# KiCad board SparkX_Soft_Power_Switch_panelized.kicad_pcb (continued)
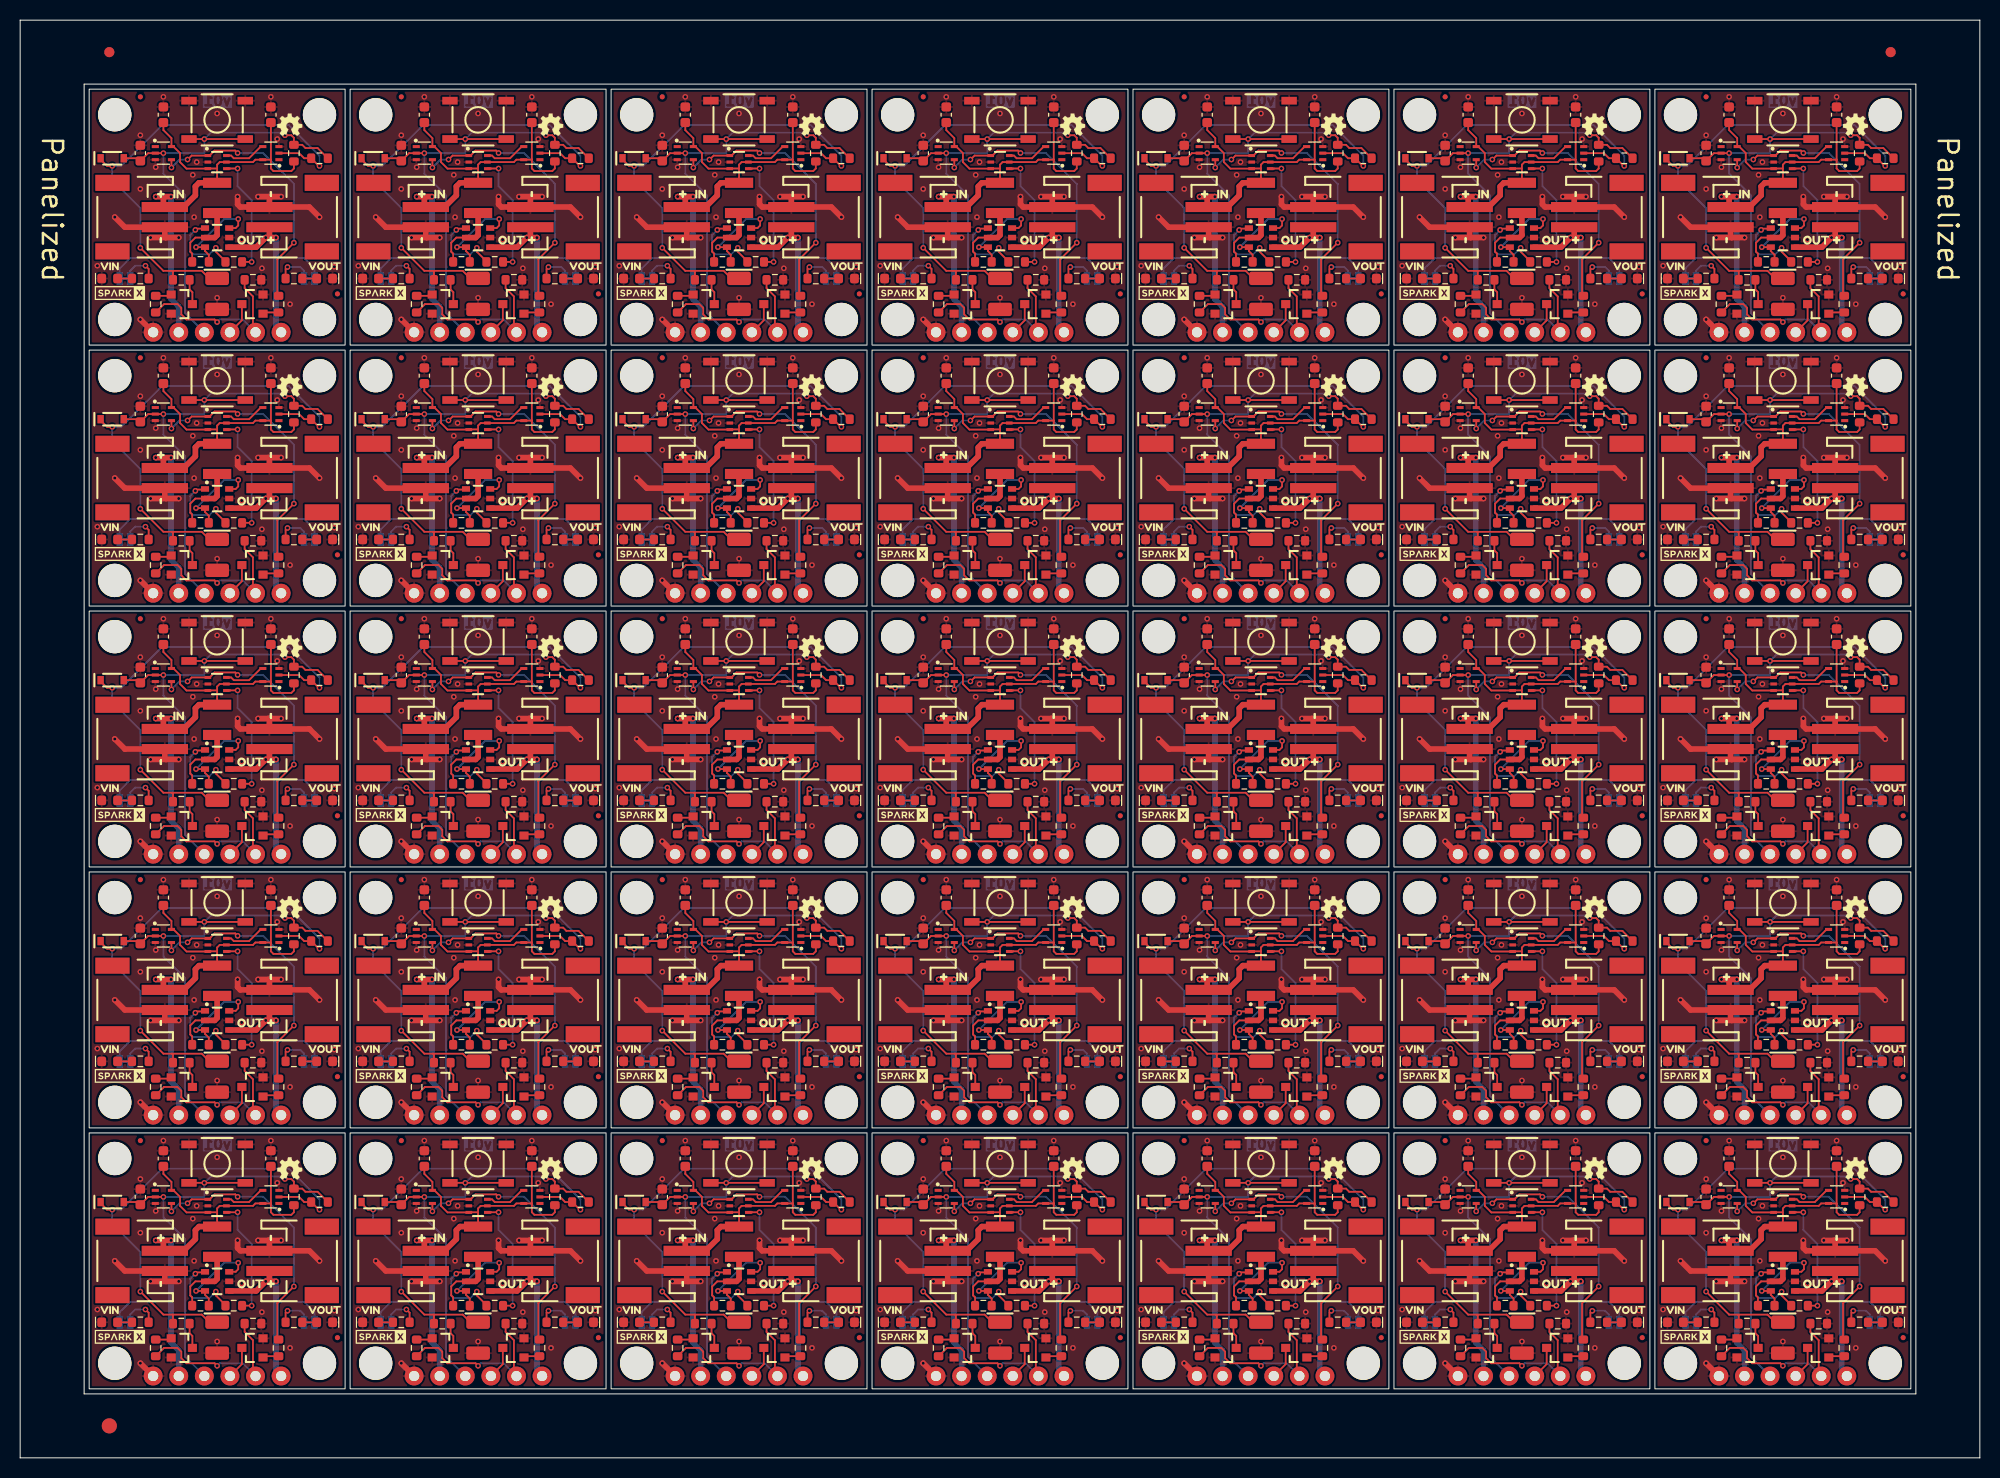
[diagram p0: board, top side]
## Routing (per net, layer and track width the routed paths; a pad name or vN(x,y) marks a point on that pad's centre or on a via; arc(x,y) is an arc through that point) (continued)
Net-(Q3B-1): length 250.5
  Top w0.178: R10#7.2 172.47,41.83 172.28,42.02 172.28,42.91 172.79,43.42 Q3#32.2 ; R10#9.2 17.07,119.53 16.88,119.72 16.88,120.61 17.39,121.12 Q3#8.2 ; R10#32.2 120.67,93.63 120.48,93.82 120.48,94.71 120.99,95.22 Q3#17.2 ; R10#24.2 68.87,119.53 68.68,119.72 68.68,120.61 69.19,121.12 Q3#11.2 ; Q3#16.2 95.09,121.12 94.58,120.61 94.58,119.72 94.77,119.53 R10#28.2 ; Q3#4.2 43.29,17.52 42.78,17.01 42.78,16.12 42.97,15.93 R10#13.2 ; R10#11.2 17.07,41.83 16.88,42.02 16.88,42.91 17.39,43.42 Q3#2.2 ; Q3#21.2 120.99,121.12 120.48,120.61 120.48,119.72 120.67,119.53 R10#33.2 ; R10#3.2 146.57,93.63 146.38,93.82 146.38,94.71 146.89,95.22 Q3#29.2 ; R10#22.2 68.87,67.73 68.68,67.92 68.68,68.81 69.19,69.32 Q3#14.2 ; R10#2.2 172.47,119.53 172.28,119.72 172.28,120.61 172.79,121.12 Q3#34.2 ; R10#29.2 120.67,15.93 120.48,16.12 120.48,17.01 120.99,17.52 Q3#27.2 ; Q3#10.2 69.19,43.42 68.68,42.91 68.68,42.02 68.87,41.83 R10#19.2 ; R10#14.2 17.07,67.73 16.88,67.92 16.88,68.81 17.39,69.32 Q3.2 ; Q3#15.2 146.89,69.32 146.38,68.81 146.38,67.92 146.57,67.73 R10#5.2 ; R10#6.2 146.57,119.53 146.38,119.72 146.38,120.61 146.89,121.12 Q3#30.2 ; R10#34.2 94.77,41.83 94.58,42.02 94.58,42.91 95.09,43.42 Q3#25.2 ; R10#30.2 120.67,41.83 120.48,42.02 120.48,42.91 120.99,43.42 Q3#23.2 ; R10#31.2 120.67,67.73 120.48,67.92 120.48,68.81 120.99,69.32 Q3#20.2 ; Q3#13.2 69.19,17.52 68.68,17.01 68.68,16.12 68.87,15.93 R10#18.2 ; Q3#19.2 95.09,95.22 94.58,94.71 94.58,93.82 94.77,93.63 R10#23.2 ; Q3#24.2 146.89,17.52 146.38,17.01 146.38,16.12 146.57,15.93 R10#15.2 ; R10#26.2 68.87,93.63 68.68,93.82 68.68,94.71 69.19,95.22 Q3#12.2 ; R10#8.2 172.47,15.93 172.28,16.12 172.28,17.01 172.79,17.52 Q3#31.2 ; R10#27.2 94.77,67.73 94.58,67.92 94.58,68.81 95.09,69.32 Q3#18.2 ; Q3#7.2 43.29,121.12 42.78,120.61 42.78,119.72 42.97,119.53 R10#20.2 ; R10#4.2 172.47,93.63 172.28,93.82 172.28,94.71 172.79,95.22 Q3#28.2 ; R10#10.2 42.97,41.83 42.78,42.02 42.78,42.91 43.29,43.42 Q3#6.2 ; R10#16.2 146.57,41.83 146.38,42.02 146.38,42.91 146.89,43.42 Q3#26.2 ; Q3#22.2 95.09,17.52 94.58,17.01 94.58,16.12 94.77,15.93 R10#17.2 ; R10.2 172.47,67.73 172.28,67.92 172.28,68.81 172.79,69.32 Q3#33.2 ; R10#25.2 42.97,67.73 42.78,67.92 42.78,68.81 43.29,69.32 Q3#5.2 ; R10#21.2 42.97,93.63 42.78,93.82 42.78,94.71 43.29,95.22 Q3#9.2 ; R10#35.2 17.07,15.93 16.88,16.12 16.88,17.01 17.39,17.52 Q3#35.2 ; R10#12.2 17.07,93.63 16.88,93.82 16.88,94.71 17.39,95.22 Q3#3.2
  Top w0.559: F1#13.1 149.05,69.56 148.81,69.32 Q3#15.2 ; Q3#7.2 45.21,121.12 45.45,121.36 F1.1 ; F1#11.1 71.35,17.76 71.11,17.52 Q3#13.2 ; F1#25.1 123.15,69.56 122.91,69.32 Q3#20.2 ; F1#4.1 19.55,121.36 19.31,121.12 Q3#8.2 ; F1#9.1 19.55,43.66 19.31,43.42 Q3#2.2 ; F1#14.1 174.95,95.46 174.71,95.22 Q3#28.2 ; Q3#17.2 122.91,95.22 123.15,95.46 F1#33.1 ; F1#35.1 19.55,17.76 19.31,17.52 Q3#35.2 ; Q3#27.2 122.91,17.52 123.15,17.76 F1#19.1 ; Q3#33.2 174.71,69.32 174.95,69.56 F1#34.1 ; F1#7.1 45.45,43.66 45.21,43.42 Q3#6.2 ; Q3#22.2 97.01,17.52 97.25,17.76 F1#32.1 ; Q3#18.2 97.01,69.32 97.25,69.56 F1#24.1 ; F1#10.1 45.45,95.46 45.21,95.22 Q3#9.2 ; Q3#34.2 174.71,121.12 174.95,121.36 F1#15.1 ; Q3.2 19.31,69.32 19.55,69.56 F1#5.1 ; Q3#24.2 148.81,17.52 149.05,17.76 F1#26.1 ; Q3#11.2 71.11,121.12 71.35,121.36 F1#28.1 ; Q3#12.2 71.11,95.22 71.35,95.46 F1#16.1 ; F1#31.1 174.95,17.76 174.71,17.52 Q3#31.2 ; Q3#19.2 97.01,95.22 97.25,95.46 F1#20.1 ; F1#3.1 19.55,95.46 19.31,95.22 Q3#3.2 ; F1#17.1 123.15,121.36 122.91,121.12 Q3#21.2 ; Q3#14.2 71.11,69.32 71.35,69.56 F1#2.1 ; Q3#29.2 148.81,95.22 149.05,95.46 F1#29.1 ; Q3#16.2 97.01,121.12 97.25,121.36 F1#23.1 ; F1#22.1 174.95,43.66 174.71,43.42 Q3#32.2 ; Q3#10.2 71.11,43.42 71.35,43.66 F1#12.1 ; Q3#23.2 122.91,43.42 123.15,43.66 F1#18.1 ; F1#27.1 97.25,43.66 97.01,43.42 Q3#25.2 ; F1#8.1 45.45,69.56 45.21,69.32 Q3#5.2 ; Q3#30.2 148.81,121.12 149.05,121.36 F1#30.1 ; F1#6.1 45.45,17.76 45.21,17.52 Q3#4.2 ; Q3#26.2 148.81,43.42 149.05,43.66 F1#21.1
Net-(U4-CLK): length 940
  Top w0.178: v1(130.77,42.91) 129.12,41.26 129.12,37.77 129.25,37.64 ; v1(47.48,103.61) 47.24,103.85 45.2,103.85 44.7,103.36 U4#9.1 42.93,103.36 42.53,102.97 v1(42.52,102.97) ; v1(172.02,128.87) 172.03,128.87 172.42,129.26 U4#33.1 174.2,129.26 174.7,129.75 176.74,129.75 v1(176.98,129.51) ; v1(176.98,25.91) 176.74,26.15 174.7,26.15 174.2,25.66 U4#32.1 172.42,25.66 172.03,25.27 v1(172.02,25.27) ; v1(92.72,50.37) U2#5.4 ; v1(68.42,77.06) 68.43,77.06 68.82,77.46 70.6,77.46 71.1,77.95 73.14,77.95 v1(73.38,77.71) ; v1(42.52,25.27) 42.53,25.27 42.93,25.66 U4#3.1 44.7,25.66 45.2,26.15 47.24,26.15 v1(47.48,25.91) ; v1(47.48,129.51) 47.24,129.75 45.2,129.75 44.7,129.26 U4#18.1 42.93,129.26 42.53,128.87 v1(42.52,128.87) ; v1(40.92,76.27) U2#18.4 ; v1(156.67,94.71) 155.02,93.06 155.02,89.57 155.15,89.44 ; v1(92.72,76.27) U2#3.4 ; v1(53.07,68.81) 51.42,67.16 51.42,63.67 R8#4.1 ; v1(53.07,42.91) 51.42,41.26 51.42,37.77 51.55,37.64 ; v1(130.77,68.81) 129.12,67.16 129.12,63.67 R8#26.1 ; v1(15.02,128.06) U2#23.4 ; v1(73.38,51.81) 73.14,52.05 71.1,52.05 70.6,51.56 U4#20.1 68.82,51.56 68.43,51.17 v1(68.42,51.17) ; v1(104.87,120.61) 103.22,118.96 103.22,115.47 R8#23.1 ; v1(156.67,68.81) 155.02,67.16 155.02,63.67 R8#10.1 ; v1(176.98,51.81) 176.74,52.05 174.7,52.05 174.2,51.56 U4#28.1 172.42,51.56 172.03,51.17 v1(172.02,51.17) ; v1(78.97,42.91) 77.32,41.26 77.32,37.77 77.45,37.64 ; R8#7.1 77.32,11.87 77.32,15.36 v1(78.97,17.01) ; v1(120.22,51.17) 120.23,51.17 120.62,51.56 U4#15.1 122.4,51.56 122.9,52.05 124.94,52.05 v1(125.18,51.81) ; v1(182.57,68.81) 180.92,67.16 180.92,63.67 R8#33.1 ; v1(118.62,102.17) U2#10.4 ; v1(73.38,129.51) 73.14,129.75 71.1,129.75 70.6,129.26 U4#17.1 68.82,129.26 68.43,128.87 v1(68.42,128.87) ; v1(16.62,77.06) 16.63,77.06 17.03,77.46 18.8,77.46 19.3,77.95 21.34,77.95 v1(21.58,77.71) ; R8#2.1 103.22,11.87 103.22,15.36 v1(104.87,17.01) ; v1(144.52,50.37) U2#28.4 ; v1(151.08,25.91) 150.84,26.15 148.8,26.15 148.3,25.66 U4#30.1 146.53,25.66 146.13,25.27 v1(146.12,25.27) ; v1(21.58,51.81) 21.34,52.05 19.3,52.05 18.8,51.56 U4#13.1 17.03,51.56 16.63,51.17 v1(16.62,51.17) ; v1(27.17,17.01) 25.52,15.36 25.52,11.87 R8#35.1 ; v1(66.82,102.17) U2#13.4 ; v1(144.52,24.47) U2#25.4 ; R8#17.1 51.42,115.47 51.42,118.96 v1(53.07,120.61) ; v1(99.28,77.71) 99.04,77.95 97,77.95 96.5,77.46 94.72,77.46 94.33,77.06 v1(94.32,77.06) ; R8#22.1 103.22,63.67 103.22,67.16 v1(104.87,68.81) ; R8.1 25.52,63.67 25.52,67.16 v1(27.17,68.81) ; v1(94.32,25.27) 94.33,25.27 94.72,25.66 U4#10.1 96.5,25.66 97,26.15 99.04,26.15 v1(99.28,25.91) ; v1(40.92,128.06) U2#14.4 ; v1(40.92,102.17) U2#22.4 ; v1(151.08,51.81) 150.84,52.05 148.8,52.05 148.3,51.56 U4#25.1 146.53,51.56 146.13,51.17 v1(146.12,51.17) ; v1(94.32,51.17) 94.33,51.17 94.72,51.56 U4#11.1 96.5,51.56 97,52.05 99.04,52.05 v1(99.28,51.81) ; v1(146.12,128.87) 146.13,128.87 146.53,129.26 U4#31.1 148.3,129.26 148.8,129.75 150.84,129.75 v1(151.08,129.51) ; v1(125.18,129.51) 124.94,129.75 122.9,129.75 122.4,129.26 U4#29.1 120.62,129.26 120.23,128.87 v1(120.22,128.87) ; v1(172.02,102.97) 172.03,102.97 172.42,103.36 U4#34.1 174.2,103.36 174.7,103.85 176.74,103.85 v1(176.98,103.61) ; v1(182.57,17.01) 180.92,15.36 180.92,11.87 R8#11.1 ; 103.35,37.64 103.22,37.77 103.22,41.26 v1(104.87,42.91) ; v1(125.18,103.61) 124.94,103.85 122.9,103.85 122.4,103.36 U4#22.1 120.62,103.36 120.23,102.97 v1(120.22,102.97) ; 181.05,37.64 180.92,37.77 180.92,41.26 v1(182.57,42.91) ; R8#31.1 155.02,115.47 155.02,118.96 v1(156.67,120.61) ; v1(78.97,68.81) 77.32,67.16 77.32,63.67 R8#18.1 ; 155.15,37.64 155.02,37.77 155.02,41.26 v1(156.67,42.91) ; v1(156.67,17.01) 155.02,15.36 155.02,11.87 R8#29.1 ; v1(151.08,77.71) 150.84,77.95 148.8,77.95 148.3,77.46 146.53,77.46 146.13,77.06 v1(146.12,77.06) ; v1(125.18,25.91) 124.94,26.15 122.9,26.15 122.4,25.66 U4#26.1 120.62,25.66 120.23,25.27 v1(120.22,25.27) ; R8#34.1 180.92,115.47 180.92,118.96 v1(182.57,120.61) ; v1(94.32,102.97) 94.33,102.97 94.72,103.36 U4#14.1 96.5,103.36 97,103.85 99.04,103.85 v1(99.28,103.61) ; 181.05,89.44 180.92,89.57 180.92,93.06 v1(182.57,94.71) ; v1(144.52,128.06) U2#35.4 ; v1(92.72,102.17) U2#4.4 ; v1(94.32,128.87) 94.33,128.87 94.72,129.26 U4#2.1 96.5,129.26 97,129.75 99.04,129.75 v1(99.28,129.51) ; R8#24.1 129.12,11.87 129.12,15.36 v1(130.77,17.01) ; v1(21.58,25.91) 21.34,26.15 19.3,26.15 18.8,25.66 U4#35.1 17.03,25.66 16.63,25.27 v1(16.62,25.27) ; v1(47.48,77.71) 47.24,77.95 45.2,77.95 44.7,77.46 42.93,77.46 42.53,77.06 v1(42.52,77.06) ; v1(73.38,25.91) 73.14,26.15 71.1,26.15 70.6,25.66 U4#5.1 68.82,25.66 68.43,25.27 v1(68.42,25.27) ; v1(170.42,50.37) U2#27.4 ; v1(130.77,94.71) 129.12,93.06 129.12,89.57 129.25,89.44 ; v1(78.97,94.71) 77.32,93.06 77.32,89.57 77.45,89.44 ; v1(130.77,120.61) 129.12,118.96 129.12,115.47 R8#27.1 ; v1(170.42,76.27) U2#30.4 ; v1(151.08,103.61) 150.84,103.85 148.8,103.85 148.3,103.36 U4#27.1 146.53,103.36 146.13,102.97 v1(146.12,102.97) ; v1(125.18,77.71) 124.94,77.95 122.9,77.95 122.4,77.46 120.62,77.46 120.23,77.06 v1(120.22,77.06) ; v1(27.17,120.61) 25.52,118.96 25.52,115.47 R8#20.1 ; 25.65,37.64 25.52,37.77 25.52,41.26 v1(27.17,42.91) ; v1(92.72,24.47) U2#2.4 ; v1(118.62,76.27) U2#9.4 ; v1(16.62,128.87) 16.63,128.87 17.03,129.26 U4#8.1 18.8,129.26 19.3,129.75 21.34,129.75 v1(21.58,129.51) ; v1(144.52,102.17) U2#29.4 ; v1(176.98,77.71) 176.74,77.95 174.7,77.95 174.2,77.46 172.42,77.46 172.03,77.06 v1(172.02,77.06) ; v1(15.02,50.37) U2#20.4 ; v1(170.42,128.06) U2#32.4 ; v1(118.62,50.37) U2#7.4 ; v1(170.42,24.47) U2#33.4 ; v1(66.82,128.06) U2.4 ; v1(66.82,24.47) U2#16.4 ; v1(40.92,24.47) U2#17.4 ; v1(66.82,76.27) U2#12.4 ; v1(92.72,128.06) U2#8.4 ; v1(15.02,24.47) U2#26.4 ; v1(66.82,50.37) U2#15.4 ; v1(15.02,102.17) U2#19.4 ; R8#16.1 51.42,11.87 51.42,15.36 v1(53.07,17.01) ; 103.35,89.44 103.22,89.57 103.22,93.06 v1(104.87,94.71) ; v1(170.42,102.17) U2#31.4 ; v1(15.02,76.27) U2#21.4 ; v1(16.62,102.97) 16.63,102.97 17.03,103.36 U4#19.1 18.8,103.36 19.3,103.85 21.34,103.85 v1(21.58,103.61) ; v1(118.62,24.47) U2#6.4 ; 51.55,89.44 51.42,89.57 51.42,93.06 v1(53.07,94.71) ; v1(73.38,103.61) 73.14,103.85 71.1,103.85 70.6,103.36 U4#7.1 68.82,103.36 68.43,102.97 v1(68.42,102.97) ; v1(27.17,94.71) 25.52,93.06 25.52,89.57 25.65,89.44 ; v1(78.97,120.61) 77.32,118.96 77.32,115.47 R8#21.1 ; v1(118.62,128.06) U2#11.4 ; v1(47.48,51.81) 47.24,52.05 45.2,52.05 44.7,51.56 U4.1 42.93,51.56 42.53,51.17 v1(42.52,51.17) ; v1(144.52,76.27) U2#34.4 ; v1(40.92,50.37) U2#24.4
  Bottom w0.178: v1(15.02,24.47) 15.82,25.27 v1(16.62,25.27) ; v1(16.62,128.87) 15.82,128.87 v1(15.02,128.06) ; v1(99.28,129.51) 101.81,129.51 104.87,126.45 v1(104.87,120.61) ; v1(144.52,128.06) 145.32,128.87 v1(146.12,128.87) ; v1(120.22,128.87) 119.42,128.87 v1(118.62,128.06) ; v1(27.17,120.61) 27.17,126.45 24.11,129.51 v1(21.58,129.51) ; v1(53.07,94.71) 53.07,100.55 50.01,103.61 v1(47.48,103.61) ; v1(15.02,102.17) 15.82,102.97 v1(16.62,102.97) ; v1(176.98,25.91) 179.51,25.91 182.57,22.85 v1(182.57,17.01) ; v1(16.62,51.17) 15.82,51.17 v1(15.02,50.37) ; v1(92.72,50.37) 93.52,51.17 v1(94.32,51.17) ; v1(146.12,25.27) 145.32,25.27 v1(144.52,24.47) ; v1(144.52,50.37) 145.32,51.17 v1(146.12,51.17) ; v1(27.17,68.81) 27.17,74.65 24.11,77.71 v1(21.58,77.71) ; v1(170.42,24.47) 171.22,25.27 v1(172.02,25.27) ; v1(68.42,128.87) 67.62,128.87 v1(66.82,128.06) ; v1(144.52,76.27) 145.32,77.06 v1(146.12,77.06) ; v1(99.28,51.81) 101.81,51.81 104.87,48.75 v1(104.87,42.91) ; v1(120.22,25.27) 119.42,25.27 v1(118.62,24.47) ; v1(53.07,120.61) 53.07,126.45 50.01,129.51 v1(47.48,129.51) ; v1(172.02,128.87) 171.22,128.87 v1(170.42,128.06) ; v1(21.58,51.81) 24.11,51.81 27.17,48.75 v1(27.17,42.91) ; v1(120.22,102.97) 119.42,102.97 v1(118.62,102.17) ; v1(172.02,51.17) 171.22,51.17 v1(170.42,50.37) ; v1(40.92,102.17) 41.72,102.97 v1(42.52,102.97) ; v1(125.18,129.51) 127.71,129.51 130.77,126.45 v1(130.77,120.61) ; v1(27.17,94.71) 27.17,100.55 24.11,103.61 v1(21.58,103.61) ; v1(92.72,128.06) 93.52,128.87 v1(94.32,128.87) ; v1(73.38,25.91) 75.91,25.91 78.97,22.85 v1(78.97,17.01) ; v1(170.42,76.27) 171.22,77.06 v1(172.02,77.06) ; v1(27.17,17.01) 27.17,22.85 24.11,25.91 v1(21.58,25.91) ; v1(92.72,24.47) 93.52,25.27 v1(94.32,25.27) ; v1(172.02,102.97) 171.22,102.97 v1(170.42,102.17) ; v1(73.38,77.71) 75.91,77.71 78.97,74.65 v1(78.97,68.81) ; v1(156.67,17.01) 156.67,22.85 153.61,25.91 v1(151.08,25.91) ; v1(16.62,77.06) 15.82,77.06 v1(15.02,76.27) ; v1(130.77,68.81) 130.77,74.65 127.71,77.71 v1(125.18,77.71) ; v1(182.57,94.71) 182.57,100.55 179.51,103.61 v1(176.98,103.61) ; v1(94.32,77.06) 93.52,77.06 v1(92.72,76.27) ; v1(176.98,77.71) 179.51,77.71 182.57,74.65 v1(182.57,68.81) ; v1(78.97,94.71) 78.97,100.55 75.91,103.61 v1(73.38,103.61) ; v1(66.82,102.17) 67.62,102.97 v1(68.42,102.97) ; v1(151.08,77.71) 153.61,77.71 156.67,74.65 v1(156.67,68.81) ; v1(47.48,25.91) 50.01,25.91 53.07,22.85 v1(53.07,17.01) ; v1(99.28,103.61) 101.81,103.61 104.87,100.55 v1(104.87,94.71) ; v1(40.92,76.27) 41.72,77.06 v1(42.52,77.06) ; v1(78.97,120.61) 78.97,126.45 75.91,129.51 v1(73.38,129.51) ; v1(104.87,17.01) 104.87,22.85 101.81,25.91 v1(99.28,25.91) ; v1(42.52,51.17) 41.72,51.17 v1(40.92,50.37) ; v1(146.12,102.97) 145.32,102.97 v1(144.52,102.17) ; v1(40.92,24.47) 41.72,25.27 v1(42.52,25.27) ; v1(156.67,42.91) 156.67,48.75 153.61,51.81 v1(151.08,51.81) ; v1(125.18,103.61) 127.71,103.61 130.77,100.55 v1(130.77,94.71) ; v1(66.82,24.47) 67.62,25.27 v1(68.42,25.27) ; v1(47.48,51.81) 50.01,51.81 53.07,48.75 v1(53.07,42.91) ; v1(118.62,76.27) 119.42,77.06 v1(120.22,77.06) ; v1(104.87,68.81) 104.87,74.65 101.81,77.71 v1(99.28,77.71) ; v1(130.77,42.91) 130.77,48.75 127.71,51.81 v1(125.18,51.81) ; v1(120.22,51.17) 119.42,51.17 v1(118.62,50.37) ; v1(156.67,94.71) 156.67,100.55 153.61,103.61 v1(151.08,103.61) ; v1(66.82,50.37) 67.62,51.17 v1(68.42,51.17) ; v1(66.82,76.27) 67.62,77.06 v1(68.42,77.06) ; v1(73.38,51.81) 75.91,51.81 78.97,48.75 v1(78.97,42.91) ; v1(130.77,17.01) 130.77,22.85 127.71,25.91 v1(125.18,25.91) ; v1(42.52,128.87) 41.72,128.87 v1(40.92,128.06) ; v1(176.98,51.81) 179.51,51.81 182.57,48.75 v1(182.57,42.91) ; v1(182.57,120.61) 182.57,126.45 179.51,129.51 v1(176.98,129.51) ; v1(156.67,120.61) 156.67,126.45 153.61,129.51 v1(151.08,129.51) ; v1(92.72,102.17) 93.52,102.97 v1(94.32,102.97) ; v1(47.48,77.71) 50.01,77.71 53.07,74.65 v1(53.07,68.81)
Net-(U4-~{CLR}): length 147.2
  Top w0.178: 98.17,77.46 98.63,77.46 98.9,77.19 100.43,77.19 101.58,78.35 U3#15.4 ; U4#35.6 20.93,25.66 21.2,25.39 22.72,25.39 23.88,26.55 U3#35.4 ; U3#5.4 101.58,26.55 100.43,25.39 98.9,25.39 98.63,25.66 U4#10.6 ; U3#19.4 49.78,78.35 48.62,77.19 47.1,77.19 46.83,77.46 46.37,77.46 ; 20.47,77.46 20.93,77.46 21.2,77.19 22.72,77.19 23.88,78.35 U3#30.4 ; U4#14.6 98.63,103.36 98.9,103.09 100.43,103.09 101.58,104.25 U3#17.4 ; U3#22.4 75.68,104.25 74.53,103.09 73,103.09 72.73,103.36 U4#7.6 ; U4#18.6 46.83,129.26 47.1,128.99 48.62,128.99 49.78,130.15 U3#21.4 ; U3#3.4 75.68,52.45 74.53,51.29 73,51.29 72.73,51.56 U4#20.6 ; U3#23.4 153.38,130.15 152.22,128.99 150.7,128.99 150.43,129.26 U4#31.6 ; U3#9.4 127.48,104.25 126.32,103.09 124.8,103.09 124.53,103.36 U4#22.6 ; U4#17.6 72.73,129.26 73,128.99 74.53,128.99 75.68,130.15 U3#7.4 ; U3#18.4 153.38,104.25 152.22,103.09 150.7,103.09 150.43,103.36 U4#27.6 ; U4.6 46.83,51.56 47.1,51.29 48.62,51.29 49.78,52.45 U3#34.4 ; U3#33.4 49.78,26.55 48.62,25.39 47.1,25.39 46.83,25.66 U4#3.6 ; U3#25.4 179.28,26.55 178.13,25.39 176.6,25.39 176.33,25.66 U4#32.6 ; 124.07,77.46 124.53,77.46 124.8,77.19 126.32,77.19 127.48,78.35 U3#8.4 ; U3#20.4 49.78,104.25 48.62,103.09 47.1,103.09 46.83,103.36 U4#9.6 ; U3#14.4 75.68,26.55 74.53,25.39 73,25.39 72.73,25.66 U4#5.6 ; U4#29.6 124.53,129.26 124.8,128.99 126.32,128.99 127.48,130.15 U3#24.4 ; U3#10.4 153.38,26.55 152.22,25.39 150.7,25.39 150.43,25.66 U4#30.6 ; U4#33.6 176.33,129.26 176.6,128.99 178.13,128.99 179.28,130.15 U3#27.4 ; U3#13.4 153.38,52.45 152.22,51.29 150.7,51.29 150.43,51.56 U4#25.6 ; U4#15.6 124.53,51.56 124.8,51.29 126.32,51.29 127.48,52.45 U3.4 ; U3#32.4 23.88,130.15 22.72,128.99 21.2,128.99 20.93,129.26 U4#8.6 ; U3#31.4 23.88,104.25 22.72,103.09 21.2,103.09 20.93,103.36 U4#19.6 ; U3#2.4 75.68,78.35 74.53,77.19 73,77.19 72.73,77.46 72.27,77.46 ; U3#4.4 179.28,52.45 178.13,51.29 176.6,51.29 176.33,51.56 U4#28.6 ; U3#12.4 127.48,26.55 126.32,25.39 124.8,25.39 124.53,25.66 U4#26.6 ; U3#6.4 101.58,130.15 100.43,128.99 98.9,128.99 98.63,129.26 U4#2.6 ; U3#29.4 23.88,52.45 22.72,51.29 21.2,51.29 20.93,51.56 U4#13.6 ; U3#28.4 179.28,78.35 178.13,77.19 176.6,77.19 176.33,77.46 175.87,77.46 ; U3#16.4 153.38,78.35 152.22,77.19 150.7,77.19 150.43,77.46 149.97,77.46 ; U4#11.6 98.63,51.56 98.9,51.29 100.43,51.29 101.58,52.45 U3#11.4 ; U3#26.4 179.28,104.25 178.13,103.09 176.6,103.09 176.33,103.36 U4#34.6

## Copper pours and planes (outline as drawn; the poured copper is in the pictures)
GND on Top, Bottom: 162.25,84.55 162.25,109.95 187.65,109.95 187.65,84.55
GND on Top, Bottom: 32.75,58.65 32.75,84.05 58.15,84.05 58.15,58.65
GND on Top, Bottom: 110.45,84.55 110.45,109.95 135.85,109.95 135.85,84.55
GND on Top, Bottom: 58.65,110.45 58.65,135.85 84.05,135.85 84.05,110.45
GND on Top, Bottom: 162.25,32.75 162.25,58.15 187.65,58.15 187.65,32.75
GND on Top, Bottom: 110.45,32.75 110.45,58.15 135.85,58.15 135.85,32.75
GND on Top, Bottom: 136.35,110.45 136.35,135.85 161.75,135.85 161.75,110.45
GND on Top, Bottom: 58.65,58.65 58.65,84.05 84.05,84.05 84.05,58.65
GND on Top, Bottom: 6.85,32.75 6.85,58.15 32.25,58.15 32.25,32.75
GND on Top, Bottom: 32.75,32.75 32.75,58.15 58.15,58.15 58.15,32.75
GND on Top, Bottom: 110.45,58.65 110.45,84.05 135.85,84.05 135.85,58.65
GND on Top, Bottom: 136.35,84.55 136.35,109.95 161.75,109.95 161.75,84.55
GND on Top, Bottom: 84.55,58.65 84.55,84.05 109.95,84.05 109.95,58.65
GND on Top, Bottom: 32.75,110.45 32.75,135.85 58.15,135.85 58.15,110.45
GND on Top, Bottom: 136.35,32.75 136.35,58.15 161.75,58.15 161.75,32.75
GND on Top, Bottom: 58.65,84.55 58.65,109.95 84.05,109.95 84.05,84.55
GND on Top, Bottom: 110.45,6.85 110.45,32.25 135.85,32.25 135.85,6.85
GND on Top, Bottom: 84.55,32.75 84.55,58.15 109.95,58.15 109.95,32.75
GND on Top, Bottom: 58.65,32.75 58.65,58.15 84.05,58.15 84.05,32.75
GND on Top, Bottom: 32.75,6.85 32.75,32.25 58.15,32.25 58.15,6.85
GND on Top, Bottom: 84.55,110.45 84.55,135.85 109.95,135.85 109.95,110.45
GND on Top, Bottom: 110.45,110.45 110.45,135.85 135.85,135.85 135.85,110.45
GND on Top, Bottom: 162.25,6.85 162.25,32.25 187.65,32.25 187.65,6.85
GND on Top, Bottom: 84.55,6.85 84.55,32.25 109.95,32.25 109.95,6.85
GND on Top, Bottom: 6.85,6.85 6.85,32.25 32.25,32.25 32.25,6.85
GND on Top, Bottom: 84.55,84.55 84.55,109.95 109.95,109.95 109.95,84.55
GND on Top, Bottom: 136.35,6.85 136.35,32.25 161.75,32.25 161.75,6.85
GND on Top, Bottom: 58.65,6.85 58.65,32.25 84.05,32.25 84.05,6.85
GND on Top, Bottom: 136.35,58.65 136.35,84.05 161.75,84.05 161.75,58.65
GND on Top, Bottom: 6.85,110.45 6.85,135.85 32.25,135.85 32.25,110.45
GND on Top, Bottom: 32.75,84.55 32.75,109.95 58.15,109.95 58.15,84.55
GND on Top, Bottom: 162.25,58.65 162.25,84.05 187.65,84.05 187.65,58.65
GND on Top, Bottom: 6.85,58.65 6.85,84.05 32.25,84.05 32.25,58.65
GND on Top, Bottom: 6.85,84.55 6.85,109.95 32.25,109.95 32.25,84.55
GND on Top, Bottom: 162.25,110.45 162.25,135.85 187.65,135.85 187.65,110.45

## Text on the board
Bottom: v01
User.Comments: V-SCORE
F.Fab: Layers: 2 | Solder Mask: Black | Silkscreen Color: White | Thickness: 1.6mm | Finish: HASL | Copper Weight: 1oz | Ordering Notes
F.Silkscreen: Panelized
